# KiCad board dacboard.kicad_pcb (continued)
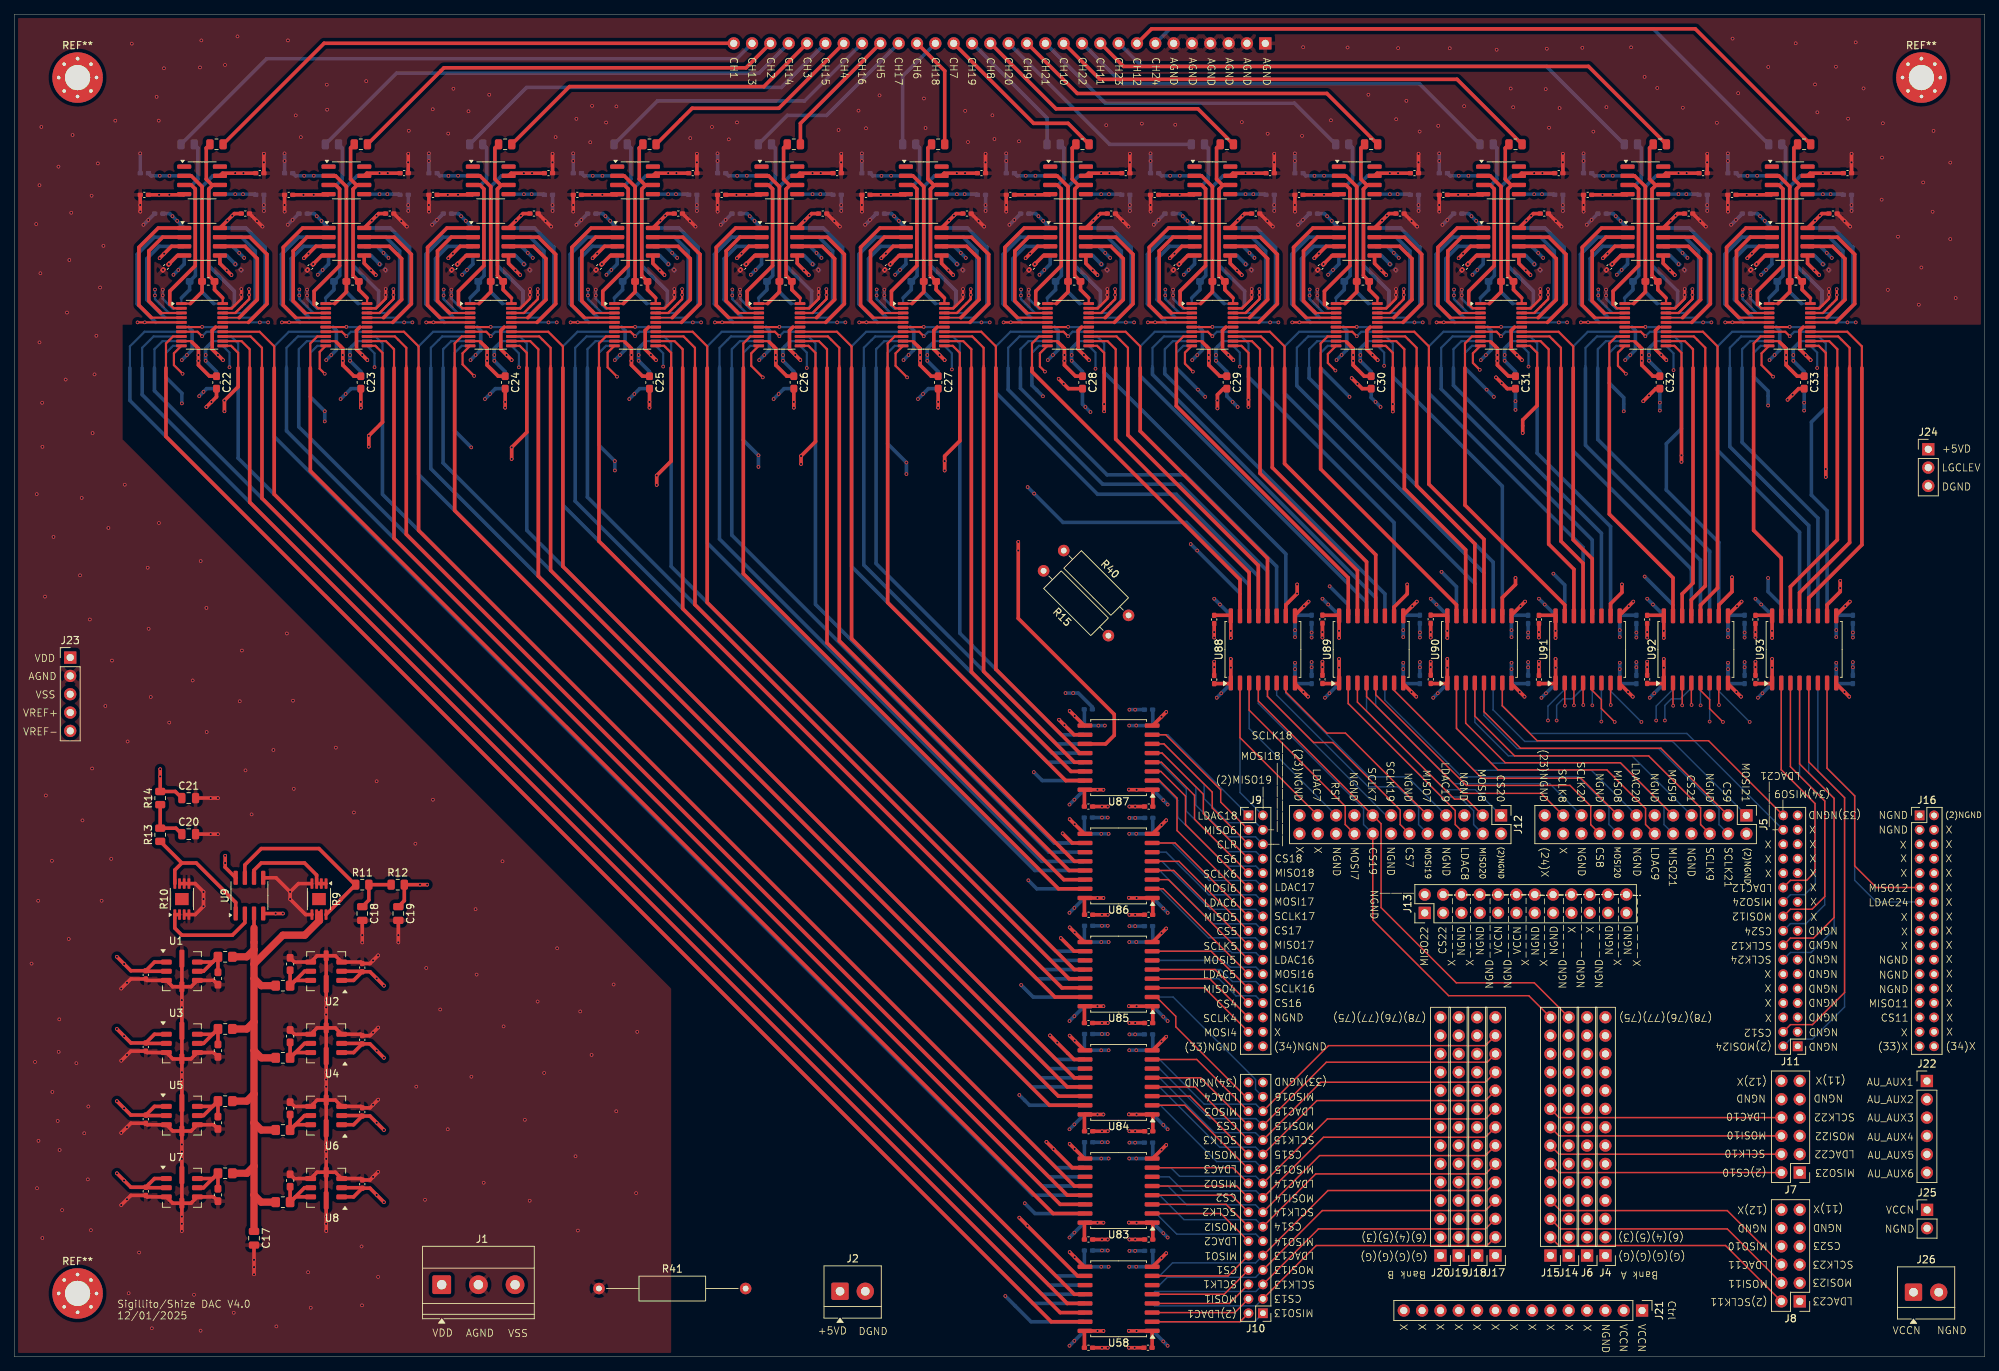
[diagram p0: board, top side]
## Routing (per net, layer and track width the routed paths; a pad name or vN(x,y) marks a point on that pad's centre or on a via; arc(x,y) is an arc through that point) (continued)
BUF17_VOUT: length 25.2
  Bottom w0.5: R32.2 107.1,172.01 112.55,172.01 J3.21
BUF18_VOUT: length 15.9
  Bottom w0.5: R33.2 123.09,177.46 127.63,182
BUF19_VOUT: length 18.3
  Bottom w0.5: 132.71,182 143.09,171.62 R34.2
BUF20_VOUT: length 31.1
  Bottom w0.5: R35.2 151.76,168 J3.15
BUF21_VOUT: length 46
  Bottom w0.5: 142.87,182 151.17,173.7 177.38,173.7 183.08,168 R36.2
BUF22_VOUT: length 60.9
  Bottom w0.5: R37.2 203.09,168 194.69,176.4 153.55,176.4 147.95,182
BUF23_VOUT: length 75.9
  Bottom w0.5: R38.2 223.09,168 212.29,178.8 156.23,178.8 153.03,182
BUF24_VOUT: length 92.4
  Bottom w0.5: R39.2 243.09,168 227.09,184 160.11,184 158.11,182
CLR_N: length 395.3
  Top w0.3: v1(126,141.4) 125.38,142.03 U21.7 ; U13.7 45.38,142.03 v1(46,141.4) ; v1(186,141.4) 185.38,142.03 U28.7 ; U19.7 105.38,142.03 v1(106,141.4) ; v1(86,141.4) 85.38,142.03 U17.7 ; v1(26,141.4) 25.38,142.03 U10.7 ; U33.7 245.38,142.03 v1(246,141.4) ; v1(146,141.4) 145.38,142.03 U26.7 ; U27.7 165.38,142.03 v1(166,141.4) ; v1(66,141.4) 65.38,142.03 U15.7 ; U29.7 205.38,142.03 v1(206,141.4) ; v1(226,141.4) 225.38,142.03 U32.7
  Top w0.5: 148.26,84.91 151.21,84.91 152.4,86.1 152.4,89 139.1,102.3 v1(139.1,112.9)
  In1.Cu w0.5: v1(246,141.4) 242.1,141.4 240.6,139.9 231.4,139.9 229.9,141.4 v1(226,141.4) 222.1,141.4 220.6,139.9 211.4,139.9 209.9,141.4 v1(206,141.4) 202.1,141.4 200.6,139.9 191.4,139.9 189.9,141.4 v1(186,141.4) 182.1,141.4 180.6,139.9 171.4,139.9 169.9,141.4 v1(166,141.4) 162.1,141.4 160.6,139.9 151.4,139.9 149.9,141.4 v1(146,141.4) 142.1,141.4 139.1,138.4 v1(139.1,112.9) ; v1(139.1,112.9) 136.7,115.3 136.7,134.6 129.9,141.4 v1(126,141.4) 122.1,141.4 120.6,139.9 111.4,139.9 109.9,141.4 v1(106,141.4) 102.1,141.4 100.6,139.9 91.4,139.9 89.9,141.4 v1(86,141.4) 82.1,141.4 80.6,139.9 71.4,139.9 69.9,141.4 v1(66,141.4) 62.1,141.4 60.6,139.9 51.4,139.9 49.9,141.4 v1(46,141.4) 42.1,141.4 40.6,139.9 31.4,139.9 29.9,141.4 v1(26,141.4) ; v1(139.1,112.9) v1(139.1,111.7)
  Bottom w0.3: v1(226,141.4) 226.62,142.03 U56.7 ; v1(86,141.4) 86.62,142.03 U41.7 ; v1(246,141.4) 246.62,142.03 U57.7 ; U45.7 126.62,142.03 v1(126,141.4) ; U40.7 66.62,142.03 v1(66,141.4) ; v1(46,141.4) 46.62,142.03 U39.7 ; v1(146,141.4) 146.62,142.03 U50.7 ; U44.7 106.62,142.03 v1(106,141.4) ; v1(166,141.4) 166.62,142.03 U51.7 ; v1(206,141.4) 206.62,142.03 U53.7 ; U38.7 26.62,142.03 v1(26,141.4) ; U52.7 186.62,142.03 v1(186,141.4)
CLR_N_ALLCH: length 59.1
  Top w0.2: J9.5 165.97,76.03 165.97,78.22 159.29,84.91 U87.6
  In4.Cu w0.2: J20.13 186.05,56.03 186.05,57.9 173.97,69.98 172.02,69.98 J9.5
CS_N_CH1: length 51.5
  Top w0.2: U58.5 167.63,8.63 J10.8
  In1.Cu w0.2: J18.5 201.29,22.77 183.15,22.77 173.36,12.98 171.98,12.98 J10.8
CS_N_CH2: length 50.8
  Top w0.2: J10.18 169.37,23.63 U83.5
  In1.Cu w0.2: J10.18 171.98,22.98 173.36,22.98 183.55,33.17 201.53,33.17 J18.9
CS_N_CH3: length 52.9
  Top w0.2: J10.28 164.37,38.63 U84.5
  In1.Cu w0.2: J18.13 201.29,43.09 183.52,43.09 173.4,32.98 171.98,32.98 J10.28
CS_N_CH4: length 55.4
  Top w0.2: U85.5 166.37,53.63 J9.27
  In3.Cu w0.2: J20.4 178.81,40.41 178.81,44.07 174.89,47.99 172.01,47.99 J9.27
CS_N_CH5: length 57.3
  Top w0.2: U86.5 161.37,68.63 J9.17
  In4.Cu w0.2: J9.17 172.02,57.98 174.88,57.98 179.54,53.32 179.54,49.84 J20.8
CS_N_CH6: length 59.9
  Top w0.2: U87.5 159.04,83.64 164.75,77.92 164.75,75.25 J9.7
  In4.Cu w0.2: J20.12 184.82,54.72 184.82,56.56 173.36,68.02 171.98,68.02 J9.7
CS_N_CH7: length 76.4
  Top w0.2: J12.12 192.03,73.73 192.03,75.75 182.68,85.1 180.03,85.1 173.63,91.49 U88.5
  In2.Cu w0.2: J4.14 217.25,50.23 201.6,50.23 193.3,58.53 J12.12
CS_N_CH8: length 78
  Top w0.2: J5.18 218.43,73.72 218.43,76.28 215.55,79.15 201.2,79.15 188.63,91.72 U89.5
  In5.Cu w0.2: J5.18 217.03,69.81 217.03,52.64 214.12,49.73 214.12,40.68 J15.11
CS_N_CH9: length 92.6
  Top w0.2: U90.5 203.63,89.36 208.7,84.3 228.16,84.3 J5.3
  In6.Cu w0.2: J5.3 238.75,73.71 238.75,52.61 J4.9
CS_N_CH10: length 135.2
  Top w0.2: J7.2 214.04,25.5 J15.6 ; U91.5 218.63,92.31 219.9,91.05 219.9,89.8 v1(221.75,87.95)
  In1.Cu w0.2: v1(221.75,87.95) 221.75,83.99 224.34,81.4 248.16,81.4 253.61,75.95 253.61,29.56 250.7,26.65 246,26.65 J7.2
CS_N_CH11: length 118.1
  Top w0.2: U92.5 233.63,92.31 234.9,91.05 234.9,89.8 v1(236.75,87.95)
  In1.Cu w0.2: v1(236.75,87.95) 238.38,86.32 250.66,86.32 260.82,76.16 260.82,50.18 J16.29
  In3.Cu w0.2: J16.29 257.32,40.32 234.08,40.32 J4.6
CS_N_CH12: length 95.2
  Top w0.2: U93.5 248.63,82.42 253.6,77.45 253.6,50.45 249.15,46 246.1,46 J11.4
  In1.Cu w0.2: J6.3 219.31,20.47 223.3,20.47 230.48,27.65 230.48,30.38 J11.4
CS_N_CH13: length 51.7
  Top w0.2: J17.2 204.07,15.39 180.39,15.39 J10.3
  Bottom w0.2: J10.3 172.02,7.02 157.99,7.02 U94.5
CS_N_CH14: length 53
  Top w0.2: J10.13 180.31,25.31 203.83,25.31 J17.6
  Bottom w0.2: U95.5 158.67,22.37 162.06,18.98 172.02,18.98 J10.13
CS_N_CH15: length 55.1
  Top w0.2: J10.23 180.47,35.47 203.83,35.47 J17.10
  Bottom w0.2: U96.5 158.67,37.37 167.02,29.02 171.98,29.02 J10.23
CS_N_CH16: length 62.3
  In2.Cu w0.2: J9.28 184.68,37.32 184.68,28.82 195.57,17.93 198.75,17.93 J19.2
  Bottom w0.2: U97.5 166.88,52.37 169.28,49.97 172.02,49.98 J9.28
CS_N_CH17: length 64.8
  In2.Cu w0.2: J9.18 190.72,41.28 190.72,31.9 194.77,27.85 198.99,27.85 J19.6
  Bottom w0.2: U98.5 158.69,67.37 166.07,59.98 172.02,59.98 J9.18
CS_N_CH18: length 70
  In3.Cu w0.2: J19.10 198.75,38.25 192.06,38.25 178.32,51.99 178.32,63.68 J9.8
  Bottom w0.2: J9.8 172.02,69.98 168,69.98 162.38,75.6 162.38,78.66 158.67,82.36 U99.5
CS_N_CH19: length 69.6
  Top w0.2: J15.14 209.85,50.01 198.74,50.01 188.22,60.53 J12.16
  Bottom w0.2: U100.5 172.37,90.51 186.95,75.92 186.95,73.73 J12.16
CS_N_CH20: length 65.5
  In4.Cu w0.2: J12.1 209.41,71.59 209.41,60.88 214.08,56.21 214.08,43.24 J14.12
  Bottom w0.2: U101.5 187.37,89.46 198.28,78.55 202.45,78.55 J12.1
CS_N_CH21: length 86
  In6.Cu w0.2: J5.7 231.09,73.71 231.09,63.09 216.64,48.64 216.64,38.12 J14.10
  Bottom w0.2: U102.5 202.37,87.91 207.03,83.25 224.13,83.25 J5.7
CS_N_CH22: length 69.8
  In1.Cu w0.2: J13.3 199.25,62.76 199.25,65.12 200.9,66.78 206.71,66.78 209.6,69.67 209.6,84.05 v1(213.7,88.15)
  In3.Cu w0.2: J13.3 209.4,50.06 212.34,50.06 214.23,48.17 214.23,45.63 J14.13
  Bottom w0.2: 213.7,88.35 213.7,90.25 214.6,91.15 215.85,91.15 217.37,92.67 U103.5
CS_N_CH23: length 140.5
  In2.Cu w0.2: v1(228.7,88.15) 228.7,85.68 230.81,83.57 249.04,83.57 254.99,77.62 254.99,22.87 J8.7 246.24,16.42 244.61,16.42 238.26,22.77 216.77,22.77 J14.5
  Bottom w0.2: U104.5 232.37,92.67 230.85,91.15 229.6,91.15 228.7,90.25 228.7,88.35
CS_N_CH24: length 84.3
  In1.Cu w0.2: J6.6 219.07,27.85 221.24,27.85 238.21,44.82 238.21,52.11 J11.18
  Bottom w0.2: U105.5 247.37,80.48 250.85,77 250.85,62.6 248.25,60 246.1,60 J11.18
DAC1_INV: length 22.4
  Top w0.2: 23.87,163.63 U59.2 24.32,163.63
  Top w0.3: U10.1 24.38,145.93
  Top w0.5: U59.2 24.5,163.63 26,162.14 C47.1 26,147.55 24.38,145.93
DAC1_LDAC_N: length 193.5
  Top w0.3: U10.8 21.98,141.38 21,140.4 21,137
  Top w0.5: 21,137 21,127.5 143.68,4.82 148.26,4.82
DAC1_RFB: length 26.1
  Top w0.2: 28.13,162.37 U59.6
  Top w0.3: 28.88,146.7 28.86,146.69 U10.20
  Top w0.5: U59.6 27.38,162.37 26.58,163.17 26.58,167.49 R16.1 ; U59.6 28.48,162.37 ; U59.6 27.5,162.37 26.92,161.79 26.92,149.8 C47.2 27.72,147.85 28.88,146.7
DAC1_SCLK: length 187.1
  Top w0.3: U10.13 32.73,141.38 34.3,139.8 34.3,137
  Top w0.5: 148.26,7.37 145.88,7.37 34.3,118.95 34.3,137
DAC1_SDIN: length 187.6
  Top w0.3: 32.6,137 32.6,139.6 31.48,140.72 U10.12
  Top w0.5: 148.26,6.09 144.91,6.09 32.6,118.4 32.6,137
DAC1_SDO: length 184.3
  Top w0.3: U10.11 30.02,140.07 31,139.1 31,137
  Top w0.5: 148.26,11.18 147.32,11.18 v1(140.38,18.12) v1(139.25,19.25) ; v1(29.1,131) v1(29.1,132.5) 31,134.4 31,137
  In1.Cu w0.5: v1(29.1,132.5) 29.1,129.4 v1(140.38,18.12)
DAC1_SYNC_N: length 186.7
  Top w0.3: U10.14 33.98,142.03 36,140 36,137
  Top w0.5: 148.26,8.63 146.87,8.63 36,119.5 36,137
DAC1_VOUT: length 21
  Top w0.3: 21.52,145.82 22.08,145.28 U10.2
  Top w0.5: U59.3 24.5,162.37 25.05,161.81 25.05,151.18 21.52,147.65 21.52,145.82
DAC2_INV: length 22.4
  Top w0.2: 43.87,163.63 U60.2 44.32,163.63
  Top w0.3: U13.1 44.38,145.93
  Top w0.5: U60.2 44.5,163.63 46,162.14 C48.1 46,147.55 44.38,145.93
DAC2_LDAC_N: length 170.1
  Top w0.3: 41,137 41,140.4 41.98,141.38 U13.8
  Top w0.5: 41,137 41,122.75 143.93,19.82 148.26,19.82
DAC2_RFB: length 26.1
  Top w0.2: 48.13,162.37 U60.6
  Top w0.3: U13.20 48.86,146.69 48.88,146.7
  Top w0.5: 48.48,162.37 U60.6 ; U60.6 47.5,162.37 46.92,161.79 46.92,149.8 C48.2 47.72,147.85 48.88,146.7 ; U60.6 47.38,162.37 46.58,163.17 46.58,167.49 R17.1
DAC2_SCLK: length 163.8
  Top w0.3: U13.13 52.72,141.38 54.3,139.8 54.3,137
  Top w0.5: 148.26,22.37 145.88,22.37 54.3,113.95 54.3,137
DAC2_SDIN: length 164.3
  Top w0.3: 52.6,137 52.6,139.6 51.48,140.72 U13.12
  Top w0.5: 148.26,21.09 144.91,21.09 52.6,113.4 52.6,137
DAC2_SDO: length 161.2
  Top w0.3: 51,137 51,139.1 50.02,140.07 U13.11
  Top w0.5: 148.26,26.18 146.57,26.18 v1(144,28.75) v1(143,29.75) ; 51,137 51,129.5 v1(49.1,127.6) v1(49.1,126.1)
  In1.Cu w0.5: v1(144,28.75) 49.1,123.65 v1(49.1,127.6)
DAC2_SYNC_N: length 163.4
  Top w0.3: U13.14 53.97,142.03 56,140 56,137
  Top w0.5: 148.26,23.63 146.87,23.63 56,114.5 56,137
DAC2_VOUT: length 21
  Top w0.3: U13.2 42.08,145.28 41.52,145.82
  Top w0.5: 41.52,145.82 41.52,147.65 45.05,151.18 45.05,161.81 44.5,162.37 U60.3
DAC3_INV: length 22.4
  Top w0.2: 63.87,163.63 U61.2 64.32,163.63
  Top w0.3: U15.1 64.38,145.93
  Top w0.5: 64.38,145.93 66,147.55 C49.1 66,162.14 64.5,163.63 U61.2
DAC3_LDAC_N: length 147.1
  Top w0.3: 61,137 61,140.4 61.97,141.38 U15.8
  Top w0.5: 148.26,34.82 143.43,34.82 61,117.25 61,137
DAC3_RFB: length 26.1
  Top w0.2: 68.13,162.37 U61.6
  Top w0.3: 68.88,146.7 68.86,146.69 U15.20
  Top w0.5: U61.6 67.5,162.37 66.92,161.79 66.92,149.8 C49.2 67.72,147.85 68.88,146.7 ; U61.6 67.39,162.37 66.58,163.17 66.58,167.49 R18.1 ; U61.6 68.48,162.37
DAC3_SCLK: length 140.6
  Top w0.3: 74.3,137 74.3,139.8 72.72,141.38 U15.13
  Top w0.5: 148.26,37.37 145.88,37.37 74.3,108.95 74.3,137
DAC3_SDIN: length 141.2
  Top w0.3: 72.6,137 72.6,139.6 71.47,140.72 U15.12
  Top w0.5: 148.26,36.09 144.66,36.09 72.6,108.15 72.6,137
DAC3_SDO: length 138.1
  Top w0.3: 71,137 71,139.1 70.03,140.07 U15.11
  Top w0.5: v1(143.5,44.5) v1(144.5,43.5) 146.82,41.18 148.26,41.18 ; 71,137 71,128.1 v1(68.9,126) v1(68.9,124.4)
  In1.Cu w0.5: v1(144.5,43.5) 68.9,119.1 v1(68.9,126)
DAC3_SYNC_N: length 140.1
  Top w0.3: U15.14 73.97,142.03 76,140 76,137
  Top w0.5: 76,137 76,109.5 146.87,38.63 148.26,38.63
DAC3_VOUT: length 21
  Top w0.3: 61.53,145.82 62.08,145.28 U15.2
  Top w0.5: U61.3 64.5,162.37 65.05,161.81 65.05,151.18 61.53,147.65 61.53,145.82
DAC4_INV: length 22.4
  Top w0.2: 84.32,163.63 U62.2 83.87,163.63
  Top w0.3: U17.1 84.38,145.93
  Top w0.5: U62.2 84.5,163.63 86,162.14 C50.1 86,147.55 84.38,145.93
DAC4_LDAC_N: length 123.4
  Top w0.3: U17.8 81.97,141.38 81,140.4 81,137
  Top w0.5: 81,137 81,113 144.18,49.82 148.26,49.82
DAC4_RFB: length 26.1
  Top w0.2: 88.13,162.37 U62.6
  Top w0.3: 88.88,146.7 88.86,146.69 U17.20
  Top w0.5: U62.6 87.5,162.37 86.92,161.79 86.92,149.8 C50.2 87.72,147.85 88.88,146.7 ; U62.6 88.48,162.37 ; U62.6 87.39,162.37 86.58,163.17 86.58,167.49 R19.1
DAC4_SCLK: length 117.1
  Top w0.3: U17.13 92.72,141.38 94.3,139.8 94.3,137
  Top w0.5: 148.26,52.37 146.13,52.37 94.3,104.2 94.3,137
DAC4_SDIN: length 117.6
  Top w0.3: 92.6,137 92.6,139.6 91.47,140.72 U17.12
  Top w0.5: 92.6,137 92.6,103.65 145.16,51.09 148.26,51.09
DAC4_SDO: length 113
  Top w0.3: U17.11 90.03,140.07 91,139.1 91,137
  Top w0.5: 91,137 91,124.1 v1(89,122.1) v1(89,120.8) ; v1(145,58) 146.82,56.18 148.26,56.18
  In1.Cu w0.5: v1(145,58) 89,114 v1(89,122.1)
DAC4_SYNC_N: length 116.8
  Top w0.3: U17.14 93.97,142.03 96,140 96,137
  Top w0.5: 148.26,53.63 146.87,53.63 96,104.5 96,137
DAC4_VOUT: length 21
  Top w0.3: U17.2 82.08,145.28 81.53,145.82
  Top w0.5: U62.3 84.5,162.37 85.05,161.81 85.05,151.18 81.53,147.65 81.53,145.82
DAC5_INV: length 22.4
  Top w0.2: 103.87,163.63 U63.2 104.32,163.63
  Top w0.3: U19.1 104.38,145.93
  Top w0.5: 104.38,145.93 106,147.55 C51.1 106,162.14 104.5,163.63 U63.2
DAC5_LDAC_N: length 99.8
  Top w0.3: 101,137 101,140.4 101.97,141.38 U19.8
  Top w0.5: 101,137 101,108.5 144.68,64.82 148.26,64.82
DAC5_RFB: length 26.1
  Top w0.2: 108.13,162.37 U63.6
  Top w0.3: 108.88,146.7 108.86,146.69 U19.20
  Top w0.5: R20.1 106.58,167.49 106.58,163.17 107.39,162.37 U63.6 ; 108.48,162.37 U63.6 ; U63.6 107.5,162.37 106.92,161.79 106.92,149.8 C51.2 107.72,147.85 108.88,146.7
DAC5_SCLK: length 93.8
  Top w0.3: U19.13 112.72,141.38 114.3,139.8 114.3,137
  Top w0.5: 114.3,137 114.3,99.2 146.13,67.37 148.26,67.37
DAC5_SDIN: length 94.2
  Top w0.3: 112.6,137 112.6,139.6 111.47,140.72 U19.12
  Top w0.5: 112.6,137 112.6,98.9 145.41,66.09 148.26,66.09
DAC5_SDO: length 89.6
  Top w0.3: U19.11 110.03,140.07 111,139.1 111,137
  Top w0.5: 148.26,71.17 146.57,71.17 v1(145.25,72.5) ; 111,137 111,126.8 v1(109,124.8) v1(109,123.7)
  In1.Cu w0.5: v1(145.25,72.5) 109,108.75 v1(109,124.8)
DAC5_SYNC_N: length 93.5
  Top w0.3: 116,137 116,140 113.97,142.03 U19.14
  Top w0.5: 116,137 116,99.5 146.87,68.63 148.26,68.63
DAC5_VOUT: length 21
  Top w0.3: 101.53,145.82 102.08,145.28 U19.2
  Top w0.5: 101.53,145.82 101.53,147.65 105.05,151.18 105.05,161.81 104.5,162.37 U63.3
DAC6_INV: length 22.4
  Top w0.2: 124.32,163.63 U64.2 123.87,163.63
  Top w0.3: U21.1 124.38,145.93
  Top w0.5: U64.2 124.5,163.63 126,162.14 C52.1 126,147.55 124.38,145.93
DAC6_LDAC_N: length 75.9
  Top w0.3: U21.8 121.97,141.38 121,140.4 121,137
  Top w0.5: 148.26,79.83 145.68,79.83 121,104.5 121,137
DAC6_RFB: length 26.1
  Top w0.2: 128.13,162.37 U64.6
  Top w0.3: U21.20 128.86,146.69 128.88,146.7
  Top w0.5: 128.88,146.7 127.72,147.85 C52.2 126.93,149.8 126.93,161.79 127.5,162.37 U64.6 ; U64.6 127.38,162.37 126.58,163.17 126.58,167.49 R21.1 ; U64.6 128.48,162.37
DAC6_SCLK: length 70.1
  Top w0.3: 134.3,137 134.3,139.8 132.72,141.38 U21.13
  Top w0.5: 134.3,137 134.3,94.95 146.88,82.36 148.26,82.36
DAC6_SDIN: length 70.3
  Top w0.3: U21.12 131.47,140.72 132.6,139.6 132.6,137
  Top w0.5: 148.26,81.09 146.41,81.09 132.6,94.9 132.6,137
DAC6_SDO: length 67.6
  Top w0.3: 131,137 131,139.1 130.03,140.07 U21.11
  Top w0.5: 148.26,86.17 146.82,86.17 v1(145.5,87.5) v1(144.75,88.25) ; v1(128.9,122.8) v1(128.9,124.1) 128.9,124.8 131,126.9 131,137
  In1.Cu w0.5: v1(128.9,124.1) 128.9,104.1 v1(145.5,87.5)
DAC6_SYNC_N: length 69.8
  Top w0.3: U21.14 133.97,142.03 136,140 136,137
  Top w0.5: 136,137 136,95.25 147.62,83.64 148.26,83.64
DAC6_VOUT: length 21
  Top w0.3: 121.53,145.82 122.07,145.28 U21.2
  Top w0.5: 121.53,145.82 121.53,147.65 125.05,151.18 125.05,161.81 124.5,162.37 U64.3
DAC7_INV: length 22.4
  Top w0.2: 143.87,163.63 U65.2 144.32,163.63
  Top w0.3: U26.1 144.38,145.93
  Top w0.5: 144.38,145.93 146,147.55 C53.1 146,162.14 144.5,163.63 U65.2
DAC7_LDAC_N: length 52.1
  Top w0.3: U26.8 141.97,141.38 141,140.4 141,137
  Top w0.5: 141,137 141,136.5 169.82,107.67 169.82,102.74
DAC7_RFB: length 26.1
  Top w0.2: 148.13,162.37 U65.6
  Top w0.3: 148.88,146.7 148.86,146.69 U26.20
  Top w0.5: 148.88,146.7 147.72,147.85 C53.2 146.93,149.8 146.93,161.79 147.5,162.37 U65.6 ; U65.6 147.38,162.37 146.58,163.17 146.58,167.49 R22.1 ; U65.6 148.48,162.37
DAC7_SCLK: length 50.6
  Top w0.3: 154.3,137 154.3,139.8 152.72,141.38 U26.13
  Top w0.5: 154.3,137 154.3,127.7 172.37,109.64 172.37,102.74
DAC7_SDIN: length 48.7
  Top w0.3: 152.6,137 152.6,139.6 151.47,140.72 U26.12
  Top w0.5: 152.6,137 152.6,127.15 171.09,108.66 171.09,102.74
DAC7_SDO: length 55.2
  Top w0.3: U26.11 150.03,140.07 151,139.1 151,137
  Top w0.5: 176.18,102.74 176.18,104.17 v1(177.75,105.75) v1(177.75,107) ; 151,137 v1(151,131)
  In1.Cu w0.5: v1(151,132) v1(151,131) 165.3,116.7 169.3,116.7 177.75,108.25 v1(177.75,105.75)
DAC7_SYNC_N: length 52.5
  Top w0.3: U26.14 153.97,142.03 156,140 156,137
  Top w0.5: 156,137 156,128.25 173.63,110.61 173.63,102.74
DAC7_VOUT: length 21
  Top w0.3: U26.2 142.07,145.28 141.53,145.82
  Top w0.5: 141.53,145.82 141.53,147.65 145.05,151.18 145.05,161.81 144.5,162.37 U65.3
DAC8_INV: length 22.4
  Top w0.2: 163.87,163.63 U66.2 164.32,163.63
  Top w0.3: U27.1 164.38,145.93
  Top w0.5: U66.2 164.5,163.63 166,162.14 C54.1 166,147.55 164.38,145.93
DAC8_LDAC_N: length 50.1
  Top w0.3: 161,137 161,140.4 161.97,141.38 U27.8
  Top w0.5: 161,137 161,131.75 184.82,107.92 184.82,102.74
DAC8_RFB: length 26.1
  Top w0.2: 168.13,162.37 U66.6
  Top w0.3: 168.88,146.7 168.86,146.69 U27.20
  Top w0.5: 168.88,146.7 167.72,147.85 C54.2 166.93,149.8 166.93,161.79 167.5,162.37 U66.6 ; U66.6 167.38,162.37 166.58,163.17 166.58,167.49 R23.1 ; U66.6 168.48,162.37
DAC8_SCLK: length 48.6
  Top w0.3: 174.3,137 174.3,139.8 172.72,141.38 U27.13
  Top w0.5: 174.3,137 174.3,123.2 187.37,110.14 187.37,102.74
DAC8_SDIN: length 46.7
  Top w0.3: U27.12 171.47,140.72 172.6,139.6 172.6,137
  Top w0.5: 172.6,137 172.6,122.4 186.09,108.91 186.09,102.74
DAC8_SDO: length 49.7
  Top w0.3: U27.11 170.03,140.07 171,139.1 171,137
  Top w0.5: 171,137 171,131.7 ; 191.18,102.74 191.18,103.88 193,105.7 v1(193,107)
  In1.Cu w0.5: v1(171,132.6) 171,131 193,109 v1(193,107)
  vias: v1(171,131.6)
DAC8_SYNC_N: length 50.5
  Top w0.3: 176,137 176,140 173.97,142.03 U27.14
  Top w0.5: 176,137 176,123.75 188.63,111.11 188.63,102.74
DAC8_VOUT: length 21
  Top w0.3: 161.53,145.82 162.07,145.28 U27.2
  Top w0.5: U66.3 164.5,162.37 165.05,161.81 165.05,151.18 161.53,147.65 161.53,145.82
DAC9_INV: length 22.4
  Top w0.2: 184.32,163.63 U67.2 183.87,163.63
  Top w0.3: U28.1 184.38,145.93
  Top w0.5: U67.2 184.5,163.63 186,162.14 C55.1 186,147.55 184.38,145.93
DAC9_LDAC_N: length 48
  Top w0.3: U28.8 181.97,141.38 181,140.4 181,137
  Top w0.5: 199.82,102.74 199.82,104.17 181,123 181,137
DAC9_RFB: length 26.1
  Top w0.2: 188.13,162.37 U67.6
  Top w0.3: 188.88,146.7 188.86,146.69 U28.20
  Top w0.5: U67.6 187.5,162.37 186.93,161.79 186.93,149.8 C55.2 187.72,147.85 188.88,146.7 ; U67.6 188.48,162.37 ; U67.6 187.38,162.37 186.58,163.17 186.58,167.49 R24.1
DAC9_SCLK: length 46.5
  Top w0.3: 194.3,137 194.3,139.8 192.72,141.38 U28.13
  Top w0.5: 194.3,137 194.3,120.7 202.37,112.64 202.37,102.74
DAC9_SDIN: length 44.6
  Top w0.3: U28.12 191.47,140.72 192.6,139.6 192.6,137
  Top w0.5: 201.09,102.74 201.09,111.81 192.6,120.3 192.6,137
DAC9_SDO: length 47.7
  Top w0.3: U28.11 190.03,140.07 191,139.1 191,137
  Top w0.5: v1(208,107.9) 208,107 206.18,105.17 206.18,102.74 ; 191,137 v1(191,132) v1(191,130.98)
  In1.Cu w0.5: v1(191,132) 191,127.21 208,110.21 v1(208,107.9)
DAC9_SYNC_N: length 48.4
  Top w0.3: 196,137 196,140 193.97,142.03 U28.14
  Top w0.5: 203.63,102.74 203.63,113.27 196,120.9 196,137
DAC9_VOUT: length 21
  Top w0.3: 181.53,145.82 182.07,145.28 U28.2
  Top w0.5: U67.3 184.5,162.37 185.05,161.81 185.05,151.18 181.53,147.65 181.53,145.82
DAC10_INV: length 22.4
  Top w0.2: 204.32,163.63 U68.2 203.87,163.63
  Top w0.3: U29.1 204.38,145.93
  Top w0.5: 204.38,145.93 206,147.55 C56.1 206,162.14 204.5,163.63 U68.2
DAC10_LDAC_N: length 45.9
  Top w0.3: U29.8 201.97,141.38 201,140.4 201,137
  Top w0.5: 201,137 201,118 214.82,104.17 214.82,102.74
DAC10_RFB: length 26.1
  Top w0.2: 208.13,162.37 U68.6
  Top w0.3: U29.20 208.86,146.69 208.88,146.7
  Top w0.5: 208.88,146.7 207.72,147.85 C56.2 206.93,149.8 206.93,161.79 207.5,162.37 U68.6 ; 208.48,162.37 U68.6 ; U68.6 207.38,162.37 206.58,163.17 206.58,167.49 R25.1
DAC10_SCLK: length 44.4
  Top w0.3: U29.13 212.72,141.38 214.3,139.8 214.3,137
  Top w0.5: 214.3,137 214.3,113 217.37,109.94 217.37,102.74
DAC10_SDIN: length 42.5
  Top w0.3: U29.12 211.47,140.72 212.6,139.6 212.6,137
  Top w0.5: 212.6,137 212.6,112.6 216.09,109.11 216.09,102.74
DAC10_SDO: length 46.1
  Top w0.3: 211,137 211,139.1 210.03,140.07 U29.11
  Top w0.5: v1(222.75,107) 222.75,105.9 221.18,104.33 221.18,102.74 ; v1(209,128) 209,129.8 211,131.8 211,137
  In1.Cu w0.5: v1(209,128) 209,126.2 222.75,112.45 v1(222.75,107)
DAC10_SYNC_N: length 46.3
  Top w0.3: 216,137 216,140 213.97,142.03 U29.14
  Top w0.5: 218.63,102.74 218.63,110.56 216,113.2 216,137
DAC10_VOUT: length 21
  Top w0.3: 201.53,145.82 202.07,145.28 U29.2
  Top w0.5: 201.53,145.82 201.53,147.65 205.05,151.18 205.05,161.81 204.5,162.37 U68.3
DAC11_INV: length 22.4
  Top w0.2: 223.87,163.63 U69.2 224.32,163.63
  Top w0.3: U32.1 224.38,145.93
  Top w0.5: U69.2 224.5,163.63 226,162.14 C57.1 226,147.55 224.38,145.93
DAC11_LDAC_N: length 43.9
  Top w0.3: U32.8 221.97,141.38 221,140.4 221,137
  Top w0.5: 221,137 221,116.75 229.82,107.92 229.82,102.74
DAC11_RFB: length 26.1
  Top w0.2: 228.13,162.37 U69.6
  Top w0.3: 228.88,146.7 228.86,146.69 U32.20
  Top w0.5: R26.1 226.58,167.49 226.58,163.17 227.38,162.37 U69.6 ; U69.6 227.5,162.37 226.93,161.79 226.93,149.8 C57.2 227.72,147.85 228.88,146.7 ; U69.6 228.48,162.37
DAC11_SCLK: length 44
  Top w0.3: U32.13 232.72,141.38 234.3,139.8 234.3,137
  Top w0.5: 232.37,102.74 232.37,104.86 234.3,106.8 234.3,137
DAC11_SDIN: length 41.7
  Top w0.3: U32.12 231.47,140.72 232.6,139.6 232.6,137
  Top w0.5: 231.09,102.74 231.09,105.69 232.6,107.2 232.6,137
DAC11_SDO: length 43.5
  Top w0.3: 231,137 231,139.1 230.03,140.07 U32.11
  Top w0.5: 236.18,102.74 236.18,104.17 238,106 v1(238,108) ; 231,137 v1(231,124)
  In1.Cu w0.5: v1(238,108) 238,116 231,123 v1(231,124) v1(231,124.9)
DAC11_SYNC_N: length 46.2
  Top w0.3: U32.14 233.97,142.03 236,140 236,137
  Top w0.5: 236,137 236,106.5 233.63,104.14 233.63,102.74
DAC11_VOUT: length 21
  Top w0.3: U32.2 222.07,145.28 221.53,145.82
  Top w0.5: 221.53,145.82 221.53,147.65 225.05,151.18 225.05,161.81 224.5,162.37 U69.3
DAC12_INV: length 22.4
  Top w0.2: 243.87,163.63 U70.2 244.32,163.63
  Top w0.3: U33.1 244.38,145.93
  Top w0.5: 244.38,145.93 246,147.55 C58.1 246,162.14 244.5,163.63 U70.2
DAC12_LDAC_N: length 41.8
  Top w0.3: 241,137 241,140.4 241.97,141.38 U33.8
  Top w0.5: 244.82,102.74 244.82,110.67 241,114.5 241,137
DAC12_RFB: length 26.1
  Top w0.2: 248.13,162.37 U70.6
  Top w0.3: U33.20 248.86,146.69 248.88,146.7
  Top w0.5: 248.48,162.37 U70.6 ; U70.6 247.5,162.37 246.93,161.79 246.93,149.8 C58.2 247.72,147.85 248.88,146.7 ; U70.6 247.38,162.37 246.58,163.17 246.58,167.49 R27.1
DAC12_SCLK: length 46
  Top w0.3: 254.3,137 254.3,139.8 252.73,141.38 U33.13
  Top w0.5: 247.37,102.74 247.37,105.86 254.3,112.8 254.3,137
DAC12_SDIN: length 43.8
  Top w0.3: 252.6,137 252.6,139.6 251.48,140.72 U33.12
  Top w0.5: 252.6,137 252.6,113.2 246.1,106.69 246.1,102.74
DAC12_SDO: length 42.6
  Top w0.3: 251,137 251,139.1 250.02,140.07 U33.11
  Top w0.5: v1(251,121.9) 251,137 ; v1(253,107.5) v1(253,106.5) 253,106 251.18,104.17 251.18,102.74
  In1.Cu w0.5: v1(251,123) v1(251,121.9) 251,120.8 253,118.8 v1(253,106.5)
DAC12_SYNC_N: length 48.3
  Top w0.3: U33.14 253.98,142.03 256,140 256,137
  Top w0.5: 248.63,102.74 248.63,105.14 256,112.5 256,137
DAC12_VOUT: length 21
  Top w0.3: 241.53,145.82 242.07,145.28 U33.2
  Top w0.5: 241.53,145.82 241.53,147.65 245.05,151.18 245.05,161.81 244.5,162.37 U70.3
DAC13_INV: length 22.4
  Bottom w0.2: 28.13,163.63 U71.2 27.68,163.63
  Bottom w0.3: U38.1 27.62,145.93
  Bottom w0.5: 27.62,145.93 26,147.55 C59.1 26,162.14 27.5,163.63 U71.2
DAC13_LDAC_N: length 182.6
  Bottom w0.3: 31,137 31,140.4 30.02,141.38 U38.8
  Bottom w0.5: 148.26,11.18 144.32,11.18 31,124.5 31,137
DAC13_RFB: length 26.1
  Bottom w0.2: 23.87,162.37 U71.6
  Bottom w0.3: 23.12,146.7 23.14,146.69 23.14,145.93
  Bottom w0.5: R28.1 25.42,167.49 25.42,163.17 24.61,162.37 U71.6 ; 23.52,162.37 U71.6 ; U71.6 24.5,162.37 25.07,161.79 25.07,149.8 24.27,149 24.27,147.85 23.12,146.7
DAC13_SCLK: length 194.8
  Bottom w0.3: 17.7,137 17.7,139.8 19.27,141.38 U38.13
  Bottom w0.5: 148.26,8.63 142.37,8.63 17.7,133.3 17.7,137
DAC13_SDIN: length 190.2
  Bottom w0.3: 19.4,137 19.4,139.6 20.52,140.72 U38.12
  Bottom w0.5: 19.4,137 19.4,133.85 143.34,9.91 148.26,9.91
DAC13_SDO: length 193.9
  In10.Cu w0.5: v1(23.2,132.1) 23.2,122.5 v1(137.31,8.4)
  Bottom w0.3: 21,137 21,139.1 21.98,140.07 U38.11
  Bottom w0.5: v1(23.2,132.1) 23.2,133.5 21,135.7 21,137 ; 148.26,4.82 140.88,4.82 v1(137.31,8.4)
DAC13_SYNC_N: length 199.6
  Bottom w0.3: U38.14 18.02,142.03 16,140 16,137
  Bottom w0.5: 16,137 16,132.5 141.13,7.37 148.26,7.37
DAC13_VOUT: length 21
  Bottom w0.3: 30.47,145.82 29.92,145.28 U38.2
  Bottom w0.5: 30.47,145.82 30.47,147.65 26.95,151.18 26.95,161.81 27.5,162.37 U71.3
DAC14_INV: length 22.4
  Bottom w0.2: 48.13,163.63 48.47,163.63 47.68,163.63
  Bottom w0.3: U39.1 47.62,145.93
  Bottom w0.5: 47.62,145.93 46,147.55 C60.1 46,162.14 47.5,163.63 48.47,163.63
DAC14_LDAC_N: length 159.4
  Bottom w0.3: U39.8 50.02,141.38 51,140.4 51,137
  Bottom w0.5: 148.26,26.18 144.32,26.18 51,119.5 51,137
DAC14_RFB: length 26.1
  Bottom w0.2: 43.87,162.37 U72.6